# KiCad board PCBA-EN16.kicad_pcb (continued)
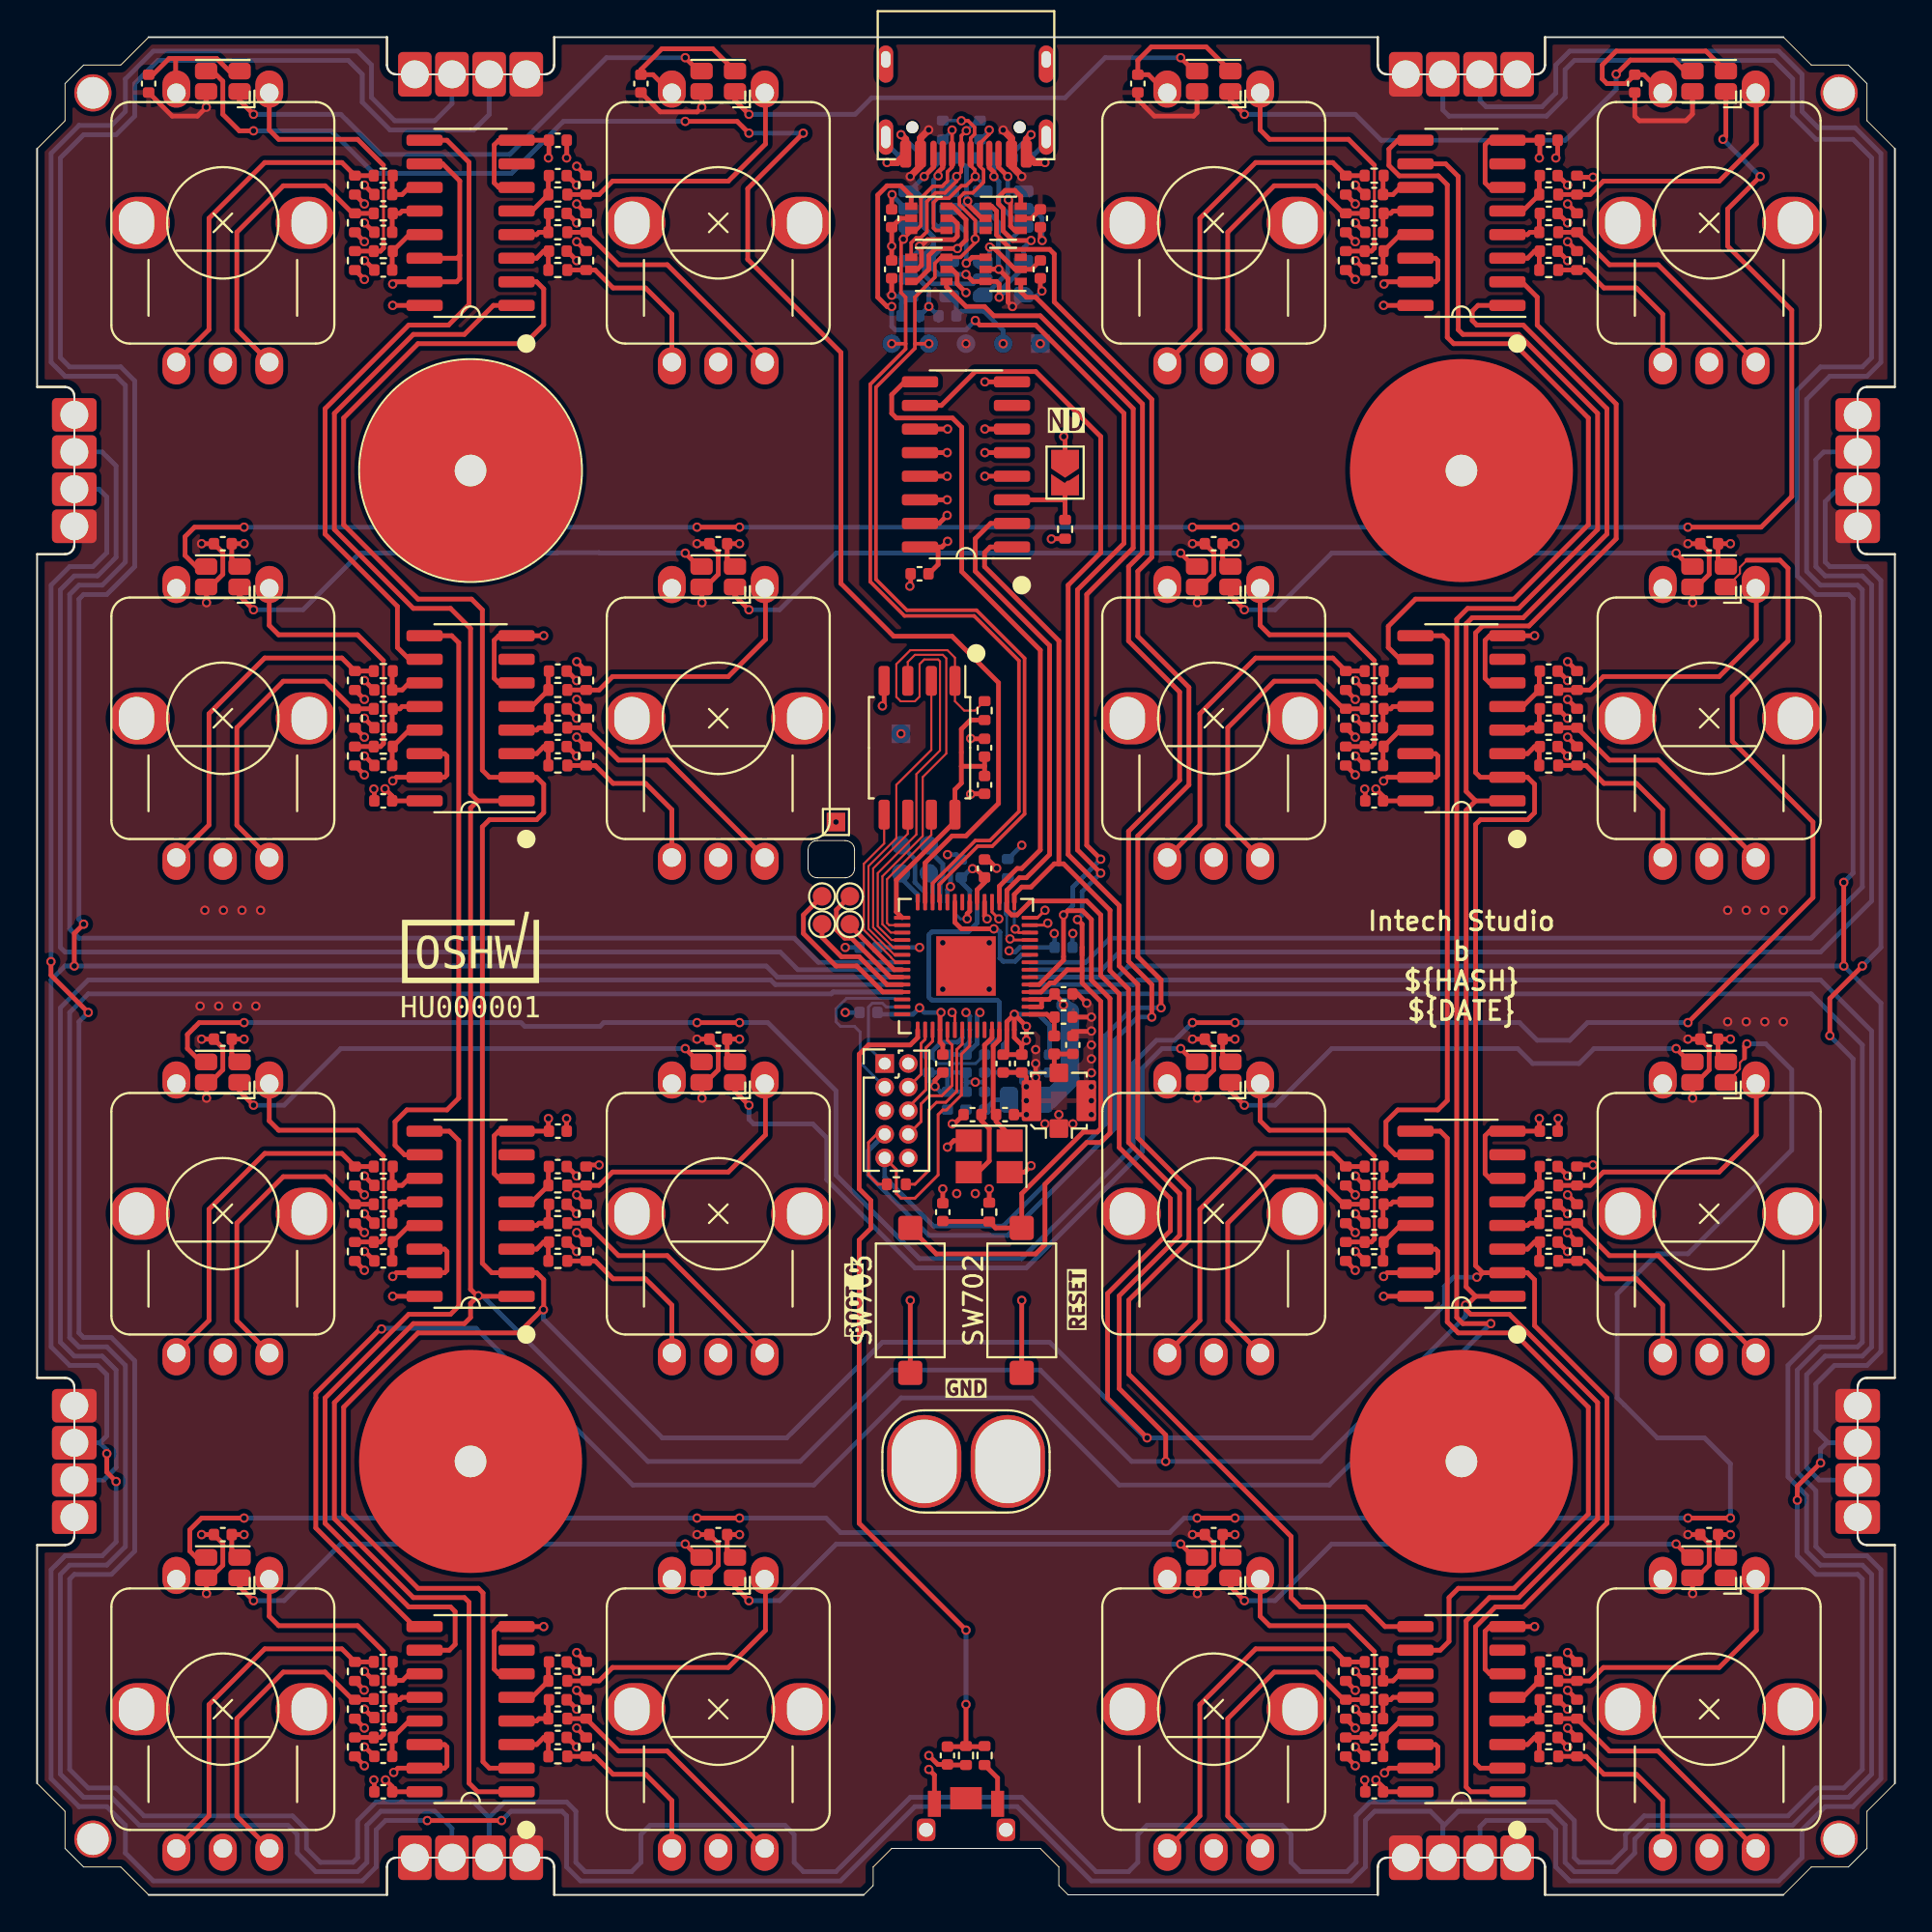
[diagram p0: board, top side]
## Footprints (pads in the part's own frame, mm; a bottom-side part is the same pattern mirrored in y, then rotated)
CAP_0402
  rrect 0.56x0.62 smd: 1(-0.48,0) 2(0.48,0)
Crystal_SMD_Abracon_ABM8G-4Pin_3.2x2.5mm
  rect 1.4x1.2 smd: 1(-1.1,-0.85) 2(1.1,-0.85) 3(1.1,0.85) 4(-1.1,0.85)
FERRIT_0805
  rrect 0.975x1.4 smd: 1(-0.938,0) 2(0.938,0)
grid_outline
  round 2 hole 1.7: 1(-47,47) 2(47,47) 3(47,-47) 4(-47,-47)
  round 2.5 hole 1.7: 5(-26.67,26.67) 6(26.67,26.67) 7(26.67,-26.67) 8(-26.67,-26.67)
  round 12 smd: 5(-26.67,26.67) 6(26.67,26.67) 7(26.67,-26.67) 8(-26.67,-26.67)
IND_0402
  rrect 0.59x0.64 smd: 1(-0.485,0) 2(0.485,0)
J_INTERFACE_SPRINGPATTERN
  rrect 1.8x2.4 hole 1.5: 1(3,-2) 2(1,-2) 3(-1,-2) 4(-3,-2)
OscilloscopeGround
  rrect 4x5 hole 3.5x4.5: 1(-2.25,0) 2(2.25,0)
PinHeader_2x05_P1.27mm_Vertical
  rect 1x1 hole 0.65: 1(0,0)
  oval 1x1 hole 0.65: 2(1.27,0) 3(0,-1.27) 4(1.27,-1.27) 5(0,-2.54) 6(1.27,-2.54) 7(0,-3.81) 8(1.27,-3.81) 9(0,-5.08) 10(1.27,-5.08)
QFN-56-1EP_7x7mm_P0.4mm_EP3.2x3.2mm
  rrect 1.29x1.29 smd: (-0.8,0.8) (-0.8,-0.8) (0.8,0.8) (0.8,-0.8)
  rrect 0.875x0.2 smd: 1(-3.438,2.6) 2(-3.438,2.2) 3(-3.438,1.8) 4(-3.438,1.4) 5(-3.438,1) 6(-3.438,0.6) 7(-3.438,0.2) 8(-3.438,-0.2) 9(-3.438,-0.6) 10(-3.438,-1) 11(-3.438,-1.4) 12(-3.438,-1.8) 13(-3.438,-2.2) 14(-3.438,-2.6) 29(3.438,-2.6) 30(3.438,-2.2) 31(3.438,-1.8) 32(3.438,-1.4) 33(3.438,-1) 34(3.438,-0.6) 35(3.438,-0.2) 36(3.438,0.2) 37(3.438,0.6) 38(3.438,1) 39(3.438,1.4) 40(3.438,1.8) 41(3.438,2.2) 42(3.438,2.6)
  rrect 0.2x0.875 smd: 15(-2.6,-3.438) 16(-2.2,-3.438) 17(-1.8,-3.438) 18(-1.4,-3.438) 19(-1,-3.438) 20(-0.6,-3.438) 21(-0.2,-3.438) 22(0.2,-3.438) 23(0.6,-3.438) 24(1,-3.438) 25(1.4,-3.438) 26(1.8,-3.438) 27(2.2,-3.438) 28(2.6,-3.438) 43(2.6,3.438) 44(2.2,3.438) 45(1.8,3.438) 46(1.4,3.438) 47(1,3.438) 48(0.6,3.438) 49(0.2,3.438) 50(-0.2,3.438) 51(-0.6,3.438) 52(-1,3.438) 53(-1.4,3.438) 54(-1.8,3.438) 55(-2.2,3.438) 56(-2.6,3.438)
  rect 3.2x3.2 smd: 57(0,0)
RES_0402
  rrect 0.54x0.64 smd: 1(-0.51,0) 2(0.51,0)
RP2040_QFN-56-1EP_7x7mm_P0.4mm_EP3.2x3.2mm
  rrect 1.29x1.29 smd: (-0.8,-0.8) (-0.8,0.8) (0.8,-0.8) (0.8,0.8)
  rrect 0.2x0.875 smd: 1(-2.6,-3.438) 2(-2.2,-3.438) 3(-1.8,-3.438) 4(-1.4,-3.438) 5(-1,-3.438) 6(-0.6,-3.438) 7(-0.2,-3.438) 8(0.2,-3.438) 9(0.6,-3.438) 10(1,-3.438) 11(1.4,-3.438) 12(1.8,-3.438) 13(2.2,-3.438) 14(2.6,-3.438) 29(2.6,3.438) 30(2.2,3.438) 31(1.8,3.438) 32(1.4,3.438) 33(1,3.438) 34(0.6,3.438) 35(0.2,3.438) 36(-0.2,3.438) 37(-0.6,3.438) 38(-1,3.438) 39(-1.4,3.438) 40(-1.8,3.438) 41(-2.2,3.438) 42(-2.6,3.438)
  rrect 0.875x0.2 smd: 15(3.438,-2.6) 16(3.438,-2.2) 17(3.438,-1.8) 18(3.438,-1.4) 19(3.438,-1) 20(3.438,-0.6) 21(3.438,-0.2) 22(3.438,0.2) 23(3.438,0.6) 24(3.438,1) 25(3.438,1.4) 26(3.438,1.8) 27(3.438,2.2) 28(3.438,2.6) 43(-3.438,2.6) 44(-3.438,2.2) 45(-3.438,1.8) 46(-3.438,1.4) 47(-3.438,1) 48(-3.438,0.6) 49(-3.438,0.2) 50(-3.438,-0.2) 51(-3.438,-0.6) 52(-3.438,-1) 53(-3.438,-1.4) 54(-3.438,-1.8) 55(-3.438,-2.2) 56(-3.438,-2.6)
  rect 3.2x3.2 smd: 57(0,0)
SOIC-8W_FLASH
  rrect 1.6x0.6 smd: 1(-3.6,1.905) 2(-3.6,0.635) 3(-3.6,-0.635) 4(-3.6,-1.905) 5(3.6,-1.905) 6(3.6,-0.635) 7(3.6,0.635) 8(3.6,1.905)
SOIC-16_74HC165
  rrect 1.95x0.6 smd: 1(-2.475,4.445) 2(-2.475,3.175) 3(-2.475,1.905) 4(-2.475,0.635) 5(-2.475,-0.635) 6(-2.475,-1.905) 7(-2.475,-3.175) 8(-2.475,-4.445) 9(2.475,-4.445) 10(2.475,-3.175) 11(2.475,-1.905) 12(2.475,-0.635) 13(2.475,0.635) 14(2.475,1.905) 15(2.475,3.175) 16(2.475,4.445)
SolderJumper-2_P1.3mm_Open_TrianglePad1.0x1.5mm
  custom 0.3x0.3 smd: 1(-0.725,0) 2(0.725,0)
SOT-23-5
  rrect 1.06x0.65 smd: 1(1.1,-0.95) 2(1.1,0) 3(1.1,0.95) 4(-1.1,0.95) 5(-1.1,-0.95)
SOT-23-5-AND-TSSOP5
  custom 0.3x0.3 smd: 1(1.1,-0.95) 2(1.1,0) 3(1.1,0.95) 4(-1.1,0.95) 5(-1.1,-0.95)
SOT-23-6
  rrect 1.06x0.65 smd: 1(1.1,-0.95) 2(1.1,0) 3(1.1,0.95) 4(-1.1,0.95) 5(-1.1,0) 6(-1.1,-0.95)
SOT-363_SC-70-6
  rect 0.65x0.4 smd: 1(-0.95,0.65) 2(-0.95,0) 3(-0.95,-0.65) 4(0.95,-0.65) 5(0.95,0) 6(0.95,0.65)
SW_HYP_MAPMODE
  rrect 1x1.2 hole 0.75: (-2.15,0.3) (2.15,0.3)
  rect 1.7x1.2 smd: (0,-1.4)
  rect 0.7x1.4 smd: 1(-1.7,-1.1) 2(1.7,-1.1)
SW_SPST_CK_RS282G05A3
  rrect 1.3x1.3 smd: 1(-3.9,0) 2(3.9,0)
TestPoint_Pad_1.0x1.0mm
  rect 1x1 smd: 1(0,0)
TestPoint_Pad_D1.0mm
  round 1 smd: 1(0,0)
U.FL_Molex_MCRF_73412-0110_Vertical
  rrect 1x1 smd: 1(0,-1.5) 2(0,1.5)
  rrect 1.05x2.2 smd: 2(-1.475,0) 2(1.475,0)
UI_ENCODER_SONGHUEI
  oval 1.5x2 hole 1: 1(-2.5,-7.5) 2(0,-7.5) 3(2.5,-7.5) 4(-2.5,7) 5(2.5,7)
  oval 3.2x2.8 hole 1.9x2.3: 6(-4.65,0) 7(4.65,0)
UI_LED_RGB_2020
  rrect 1.2x0.9 smd: 1(-0.9,0.55) 2(-0.9,-0.55) 3(0.9,-0.55) 4(0.9,0.55)
USB_C_Korean_Hroparts_TYPE-C-31-M-12
  round 0.65 hole 0.65 unplated: (-2.89,1.45) (2.89,1.45)
  rrect 0.6x1.45 smd: A1B12(-3.25,2.895) A4B9(-2.45,2.895) A9B4(2.45,2.895) A12B1(3.25,2.895)
  rrect 0.34x1.45 smd: A5(-1.25,2.895) A6(-0.25,2.895) A7(0.25,2.895) A8(1.25,2.895) B5(1.75,2.895) B6(0.75,2.895) B7(-0.75,2.895) B8(-1.75,2.895)
  oval 0.8x1.9 hole 0.5x1.2: S1(-4.32,1.98) S2(4.32,1.98)
  oval 0.8x2 hole 0.5x0.9: S3(-4.32,-2.2) S4(4.32,-2.2)

## Nets
+1V1: C731.1 C732.1 C733.1 U703.23 U703.45 U703.50
+3V3: C603.2 C734.1 C735.1 C736.1 C737.1 C738.1 C740.1 C741.1 C743.1 C744.1 C745.1 C746.1 C747.1 C751.1 C752.1 C753.1 C754.1 C757.2 C801.1 C1019.1 C1020.1 C1021.1 C1022.1 C1023.1 C1024.1 C1025.1 C1026.1 JP801.1 L702.2 R701.1 R729.1 R735.1 R1002.1 R1003.1 R1004.1 R1008.1 R1009.1 R1010.1 R1014.1 R1015.1 R1016.1 R1020.1 R1021.1 R1022.1 R1026.1 R1027.1 R1028.1 R1032.1 R1033.1 R1034.1 R1038.1 R1039.1 R1040.1 R1044.1 R1045.1 R1046.1 R1050.1 R1051.1 R1052.1 R1056.1 R1057.1 R1058.1 R1062.1 R1063.1 R1064.1 R1068.1 R1069.1 R1070.1 R1074.1 R1075.1 R1076.1 R1080.1 R1081.1 R1082.1 R1086.1 R1087.1 R1088.1 R1092.1 R1093.1 R1094.1 TP602.1 U601.5 U703.1 U703.10 U703.22 U703.33 U703.42 U703.43 U703.44 U703.48 U703.49 U704.20 U704.46 U704.55 U704.56 U801.5 U801.6 U801.11 U801.12 U801.16 U1001.16 U1002.16 U1003.16 U1004.16 U1005.16 U1006.16 U1007.16 U1008.16
+5V: C602.1 C604.1 C605.1 C606.1 C607.1 C901.2 C902.2 C903.2 C904.2 C905.2 C906.2 C907.2 C908.2 C909.2 C910.2 C911.2 C912.2 C913.2 C914.2 C915.2 C916.2 D901.4 D902.4 D903.4 D904.4 D905.4 D906.4 D907.4 D908.4 D909.4 D910.4 D911.4 D912.4 D913.4 D914.4 D915.4 D916.4 J501.1 J502.4 J503.1 J504.4 J505.4 J506.1 J507.4 J508.1 J601.A4B9 J601.A9B4 TP603.1 U601.1 U601.3 U602.5 U603.5 U604.5 U605.5 U606.5 U607.5 U608.5
GND: C601.2 C602.2 C603.1 C604.2 C605.2 C606.2 C607.2 C731.2 C732.2 C733.2 C734.2 C735.2 C736.2 C737.2 C738.2 C739.2 C740.2 C741.2 C742.2 C743.2 C744.2 C745.2 C746.2 C747.2 C748.2 C749.2 C750.2 C751.2 C752.2 C753.2 C754.2 C755.2 C756.2 C758.2 C801.2 C901.1 C902.1 C903.1 C904.1 C905.1 C906.1 C907.1 C908.1 C909.1 C910.1 C911.1 C912.1 C913.1 C914.1 C915.1 C916.1 C1001.2 C1002.2 C1003.2 C1004.2 C1005.2 C1006.2 C1007.2 C1008.2 C1009.2 C1010.2 C1011.2 C1012.2 C1013.2 C1014.2 C1015.2 C1016.2 C1017.2 C1018.2 C1019.2 C1020.2 C1021.2 C1022.2 C1023.2 C1024.2 C1025.2 C1026.2 C1027.2 C1028.2 C1029.2 C1030.2 C1031.2 C1032.2 C1033.2 C1034.2 C1035.2 C1036.2 C1037.2 C1038.2 C1039.2 C1040.2 C1041.2 C1042.2 C1043.2 C1044.2 C1045.2 C1046.2 C1047.2 C1048.2 C1049.2 C1050.2 C1051.2 C1052.2 C1053.2 C1054.2 C1055.2 C1056.2 D901.2 D902.2 D903.2 D904.2 D905.2 D906.2 D907.2 D908.2 D909.2 D910.2 D911.2 D912.2 D913.2 D914.2 D915.2 D916.2 J501.4 J502.1 J503.4 J504.1 J505.1 J506.4 J507.1 J508.4 J601.A1B12 J601.A12B1 J701.2 J702.5 J799.1 J799.2 R601.2 R602.2 R603.2 R801.2 SW701.2 SW702.1 SW703.1 TP601.1 TP705.1 TP710.1 U601.2 U602.2 U603.2 U604.3 U605.2 U606.2 U607.2 U608.2 U703.19 U703.57 U704.57 U705.4 U801.4 U801.8 U801.13 U801.14 U801.15 U1001.6 U1001.8 U1001.10 U1001.14 U1001.15 U1002.6 U1002.8 U1002.14 U1002.15 U1003.6 U1003.8 U1003.14 U1003.15 U1004.6 U1004.8 U1004.14 U1004.15 U1005.6 U1005.8 U1005.14 U1005.15 U1006.6 U1006.8 U1006.14 U1006.15 U1007.6 U1007.8 U1007.14 U1007.15 U1008.6 U1008.8 U1008.14 U1008.15 UI1001.2 UI1001.4 UI1002.2 UI1002.4 UI1003.2 UI1003.4 UI1004.2 UI1004.4 UI1005.2 UI1005.4 UI1006.2 UI1006.4 UI1007.2 UI1007.4 UI1008.2 UI1008.4 UI1009.2 UI1009.4 UI1010.2 UI1010.4 UI1011.2 UI1011.4 UI1012.2 UI1012.4 UI1013.2 UI1013.4 UI1014.2 UI1014.4 UI1015.2 UI1015.4 UI1016.2 UI1016.4 Y701.2 Y701.4
VDD_SPI: C755.1 C756.1 R734.1 U704.29 U705.8
/HWCFG/HWCFG_DATA: U704.17 U801.9
/MCU/ESP_BOOT0: SW703.2 U607.1 U704.5
/MCU/ESP_LNA: C742.1 L701.2 U704.1
/MCU/ESP_RESET: C758.1 R735.2 SW702.2 U608.1 U704.4
/MCU/GRID_EAST_RX: J503.3 U703.36
/MCU/GRID_EAST_TX: J505.2 U703.38
/MCU/GRID_NORTH_RX: J501.3 U703.8
/MCU/GRID_NORTH_TX: J502.2 U703.35
/MCU/GRID_SOUTH_RX: J508.3 U703.39
/MCU/GRID_SOUTH_TX: J507.2 U703.4
/MCU/GRID_SYNC_1: J502.3 J504.3 J505.3 J507.3 U703.37
/MCU/GRID_SYNC_2: J501.2 J503.2 J506.2 J508.2 U703.6
/MCU/GRID_WEST_RX: J506.3 U703.5
/MCU/GRID_WEST_TX: J504.2 U703.7
/MCU/LED_DATA_OUT: D901.3 U704.27
/MCU/MAP_MODE: C757.1 R701.2 R736.2 U704.43
/MCU/RP_CLK: U703.20 U704.21
/MCU/RP_INTERRUPT: U703.34 U704.23
/MCU/RP_RUN: R729.2 U703.26
/MCU/RP_SPI0_CS: U703.28 U704.12
/MCU/RP_SPI0_RX: U703.27 U704.11
/MCU/RP_SPI0_SCK: U703.29 U704.14
/MCU/RP_SPI0_TX: U703.30 U704.13
/MCU/RP_SWCLK: U703.24 U704.19
/MCU/RP_SWDIO: U703.25 U704.18
/MCU/RP_UART0_RX: J702.3 U703.3
/MCU/RP_UART0_TX: J702.1 U703.2
/MCU/SPICLK: U704.33 U705.6
/MCU/SPICS0: R734.2 U704.32 U705.1
/MCU/SPID: U704.35 U705.5
/MCU/SPIHD: U704.30 U705.7
/MCU/SPIQ: U704.34 U705.2
/MCU/SPIWP: U704.31 U705.3
/MCU/TCK: J702.4 U704.44
/MCU/TDI: J702.8 U704.47
/MCU/TDO: J702.6 U704.45
/MCU/TMS: J702.2 U704.48
/MCU/U0RXD: J702.9 U606.1 U704.50
/MCU/U0TXD: J702.7 R501.1 U605.1
/MCU/USB_DN: J601.B7 R604.1 TP604.1 U602.4 U607.3 U704.25
/MCU/USB_DP: J601.B6 R605.1 TP605.1 U603.4 U608.3 U704.26
/MCU/USB_POWER/A6: J601.A6 R605.2 U602.6 U608.4
/MCU/USB_POWER/A7: J601.A7 R604.2 U603.1 U607.4
/MCU/USB_POWER/CC1: J601.A5 R602.1 U602.3 U604.1
/MCU/USB_POWER/CC2: J601.B5 R603.1 U603.6 U604.2
/MCU/USB_POWER/DEBUG: U604.4 U605.6 U606.6 U607.6 U608.6
/MCU/USB_POWER/SBU1: J601.A8 U603.3 U605.4
/MCU/USB_POWER/SBU2: J601.B8 U602.1 U606.4
/UI_ENC/CLOCK: U704.16 U801.2 U1001.2 U1002.2 U1003.2 U1004.2 U1005.2 U1006.2 U1007.2 U1008.2
/UI_ENC/DATA: U801.10 U1008.9
/UI_ENC/ENCODER_0/A: C1015.1 R1030.1 U1001.11
/UI_ENC/ENCODER_0/B: C1014.1 R1029.1 U1001.12
/UI_ENC/ENCODER_0/C: C1013.1 R1025.2 U1001.13
/UI_ENC/ENCODER_1/A: C1032.1 R1048.1 U1001.3
/UI_ENC/ENCODER_1/B: C1031.1 R1047.1 U1001.4
/UI_ENC/ENCODER_1/C: C1030.1 R1043.2 U1001.5
/UI_ENC/ENCODER_2/A: C1050.1 R1084.1 U1005.11
/UI_ENC/ENCODER_2/B: C1049.1 R1083.1 U1005.12
/UI_ENC/ENCODER_2/C: C1048.1 R1079.2 U1005.13
/UI_ENC/ENCODER_3/A: C1029.1 R1042.1 U1005.3
/UI_ENC/ENCODER_3/B: C1028.1 R1041.1 U1005.4
/UI_ENC/ENCODER_3/C: C1027.1 R1037.2 U1005.5
/UI_ENC/ENCODER_4/A: C1053.1 R1090.1 U1002.11
/UI_ENC/ENCODER_4/B: C1052.1 R1089.1 U1002.12
/UI_ENC/ENCODER_4/C: C1051.1 R1085.2 U1002.13
/UI_ENC/ENCODER_5/A: C1009.1 R1018.1 U1002.3
/UI_ENC/ENCODER_5/B: C1008.1 R1017.1 U1002.4
/UI_ENC/ENCODER_5/C: C1007.1 R1013.2 U1002.5
/UI_ENC/ENCODER_6/A: C1018.1 R1036.1 U1006.11
/UI_ENC/ENCODER_6/B: C1017.1 R1035.1 U1006.12
/UI_ENC/ENCODER_6/C: C1016.1 R1031.2 U1006.13
/UI_ENC/ENCODER_7/A: C1035.1 R1054.1 U1006.3
/UI_ENC/ENCODER_7/B: C1034.1 R1053.1 U1006.4
/UI_ENC/ENCODER_7/C: C1033.1 R1049.2 U1006.5
/UI_ENC/ENCODER_8/A: C1003.1 R1006.1 U1003.11
/UI_ENC/ENCODER_8/B: C1002.1 R1005.1 U1003.12
/UI_ENC/ENCODER_8/C: C1001.1 R1001.2 U1003.13
/UI_ENC/ENCODER_9/A: C1056.1 R1096.1 U1003.3
/UI_ENC/ENCODER_9/B: C1055.1 R1095.1 U1003.4
/UI_ENC/ENCODER_9/C: C1054.1 R1091.2 U1003.5
/UI_ENC/ENCODER_10/A: C1044.1 R1072.1 U1007.11
/UI_ENC/ENCODER_10/B: C1043.1 R1071.1 U1007.12
/UI_ENC/ENCODER_10/C: C1042.1 R1067.2 U1007.13
/UI_ENC/ENCODER_11/A: C1006.1 R1012.1 U1007.3
/UI_ENC/ENCODER_11/B: C1005.1 R1011.1 U1007.4
/UI_ENC/ENCODER_11/C: C1004.1 R1007.2 U1007.5
/UI_ENC/ENCODER_12/A: C1012.1 R1024.1 U1004.11
/UI_ENC/ENCODER_12/B: C1011.1 R1023.1 U1004.12
/UI_ENC/ENCODER_12/C: C1010.1 R1019.2 U1004.13
/UI_ENC/ENCODER_13/A: C1041.1 R1066.1 U1004.3
/UI_ENC/ENCODER_13/B: C1040.1 R1065.1 U1004.4
/UI_ENC/ENCODER_13/C: C1039.1 R1061.2 U1004.5
/UI_ENC/ENCODER_14/A: C1038.1 R1060.1 U1008.11
/UI_ENC/ENCODER_14/B: C1037.1 R1059.1 U1008.12
/UI_ENC/ENCODER_14/C: C1036.1 R1055.2 U1008.13
/UI_ENC/ENCODER_15/A: C1047.1 R1078.1 U1008.3
/UI_ENC/ENCODER_15/B: C1046.1 R1077.1 U1008.4
/UI_ENC/ENCODER_15/C: C1045.1 R1073.2 U1008.5
/UI_ENC/SHIFT: U704.15 U801.1 U1001.1 U1002.1 U1003.1 U1004.1 U1005.1 U1006.1 U1007.1 U1008.1
/UI_LED/LED_DATA_OUT: D916.1
ESP_GPIO_1: U704.6
ESP_GPIO_2: U704.7
ESP_GPIO_3: U704.8
ESP_GPIO_4: U704.9
ESP_GPIO_5: U704.10
ESP_GPIO_16: U704.22
ESP_GPIO_18: U704.24
ESP_GPIO_33: TP709.1 U704.38
ESP_GPIO_34: TP708.1 U704.39
ESP_GPIO_35: U704.40
ESP_GPIO_36: U704.41
ESP_GPIO_37: U704.42
ESP_GPIO_45: U704.51
ESP_GPIO_46: U704.52
ESP_GPIO_47: TP706.1 U704.37
ESP_GPIO_48: TP707.1 U704.36
Net-(C601-Pad1): C601.1 J601.S1
Net-(C749-Pad1): C749.1 L702.1 U704.2 U704.3
Net-(D901-DOUT): D901.1 D905.3
Net-(D902-DIN): D902.3 D913.1
Net-(D902-DOUT): D902.1 D906.3
Net-(D903-DIN): D903.3 D914.1
Net-(D903-DOUT): D903.1 D907.3
Net-(D904-DIN): D904.3 D915.1
Net-(D904-DOUT): D904.1 D908.3
Net-(D905-DOUT): D905.1 D909.3
Net-(D906-DOUT): D906.1 D910.3
Net-(D907-DOUT): D907.1 D911.3
Net-(D908-DOUT): D908.1 D912.3
Net-(D909-DOUT): D909.1 D913.3
Net-(D910-DOUT): D910.1 D914.3
Net-(D911-DOUT): D911.1 D915.3
Net-(D912-DOUT): D912.1 D916.3
Net-(J601-SHIELD-PadS2): J601.S2 R601.1
Net-(J701-In): C739.1 J701.1 L701.1
Net-(JP801-B): JP801.2 R801.1 U801.3
Net-(R1001-Pad1): R1001.1 R1002.2 UI1001.5
Net-(R1003-Pad2): R1003.2 R1005.2 UI1001.3
Net-(R1004-Pad2): R1004.2 R1006.2 UI1001.1
Net-(R1007-Pad1): R1007.1 R1008.2 UI1002.5
Net-(R1009-Pad2): R1009.2 R1011.2 UI1002.3
Net-(R1010-Pad2): R1010.2 R1012.2 UI1002.1
Net-(R1013-Pad1): R1013.1 R1014.2 UI1003.5
Net-(R1015-Pad2): R1015.2 R1017.2 UI1003.3
Net-(R1016-Pad2): R1016.2 R1018.2 UI1003.1
Net-(R1019-Pad1): R1019.1 R1020.2 UI1004.5
Net-(R1021-Pad2): R1021.2 R1023.2 UI1004.3
Net-(R1022-Pad2): R1022.2 R1024.2 UI1004.1
Net-(R1025-Pad1): R1025.1 R1026.2 UI1005.5
Net-(R1027-Pad2): R1027.2 R1029.2 UI1005.3
Net-(R1028-Pad2): R1028.2 R1030.2 UI1005.1
Net-(R1031-Pad1): R1031.1 R1032.2 UI1006.5
Net-(R1033-Pad2): R1033.2 R1035.2 UI1006.3
Net-(R1034-Pad2): R1034.2 R1036.2 UI1006.1
Net-(R1037-Pad1): R1037.1 R1038.2 UI1007.5
Net-(R1039-Pad2): R1039.2 R1041.2 UI1007.3
Net-(R1040-Pad2): R1040.2 R1042.2 UI1007.1
Net-(R1043-Pad1): R1043.1 R1044.2 UI1008.5
Net-(R1045-Pad2): R1045.2 R1047.2 UI1008.3
Net-(R1046-Pad2): R1046.2 R1048.2 UI1008.1
Net-(R1049-Pad1): R1049.1 R1050.2 UI1009.5
Net-(R1051-Pad2): R1051.2 R1053.2 UI1009.3
Net-(R1052-Pad2): R1052.2 R1054.2 UI1009.1
Net-(R1055-Pad1): R1055.1 R1056.2 UI1010.5
Net-(R1057-Pad2): R1057.2 R1059.2 UI1010.3
Net-(R1058-Pad2): R1058.2 R1060.2 UI1010.1
Net-(R1061-Pad1): R1061.1 R1062.2 UI1011.5
Net-(R1063-Pad2): R1063.2 R1065.2 UI1011.3
Net-(R1064-Pad2): R1064.2 R1066.2 UI1011.1
Net-(R1067-Pad1): R1067.1 R1068.2 UI1012.5
Net-(R1069-Pad2): R1069.2 R1071.2 UI1012.3
Net-(R1070-Pad2): R1070.2 R1072.2 UI1012.1
Net-(R1073-Pad1): R1073.1 R1074.2 UI1013.5
Net-(R1075-Pad2): R1075.2 R1077.2 UI1013.3
Net-(R1076-Pad2): R1076.2 R1078.2 UI1013.1
Net-(R1079-Pad1): R1079.1 R1080.2 UI1014.5
Net-(R1081-Pad2): R1081.2 R1083.2 UI1014.3
Net-(R1082-Pad2): R1082.2 R1084.2 UI1014.1
Net-(R1085-Pad1): R1085.1 R1086.2 UI1015.5
Net-(R1087-Pad2): R1087.2 R1089.2 UI1015.3
Net-(R1088-Pad2): R1088.2 R1090.2 UI1015.1
Net-(R1091-Pad1): R1091.1 R1092.2 UI1016.5
Net-(R1093-Pad2): R1093.2 R1095.2 UI1016.3
Net-(R1094-Pad2): R1094.2 R1096.2 UI1016.1
Net-(SW701-A): R736.1 SW701.1
Net-(U703-GPIO12): TP701.1 U703.15
Net-(U703-GPIO13): TP702.1 U703.16
Net-(U703-GPIO14): TP703.1 U703.17
Net-(U703-GPIO15): TP704.1 U703.18
Net-(U704-GPIO43): R501.2 U704.49
Net-(U704-XTAL_N): C750.1 U704.53 Y701.3
Net-(U704-XTAL_P): C748.1 U704.54 Y701.1
Net-(U1001-Q): U1001.9 U1002.10
Net-(U1002-Q): U1002.9 U1003.10
Net-(U1003-Q): U1003.9 U1004.10
Net-(U1004-Q): U1004.9 U1005.10
Net-(U1005-Q): U1005.9 U1006.10
Net-(U1006-Q): U1006.9 U1007.10
Net-(U1007-Q): U1007.9 U1008.10

Pads without a net: J601 S3 S4; J702 10; M501 1 2 3 4 5 6 7 8; U601 4; U605 3; U606 3; U703 9 11 12 13 14 21 31 32 40 41 46 47 51 52 53 54 55 56; U704 28; U801 7; U1001 7; U1002 7; U1003 7; U1004 7; U1005 7; U1006 7; U1007 7; U1008 7; UI1001 6 7; UI1002 6 7; UI1003 6 7; UI1004 6 7; UI1005 6 7; UI1006 6 7; UI1007 6 7; UI1008 6 7; UI1009 6 7; UI1010 6 7; UI1011 6 7; UI1012 6 7; UI1013 6 7; UI1014 6 7; UI1015 6 7; UI1016 6 7

## Via types
v1: diameter 0.5, hole 0.3, Top to Bottom, 388 vias

## Routing (per net, layer and track width the routed paths; a pad name or vN(x,y) marks a point on that pad's centre or on a via; arc(x,y) is an arc through that point)
+1V1: length 22.1
  Bottom w0.152: C732.1 48.48,44.75 50.52,44.75 C733.1
  Bottom w0.254: C733.1 51,45.75 51.15,45.9 51.56,45.9 51.8,46.13 U703.45 51.8,48.05 51.69,48.16 48.16,48.16 48,48.33 48,51.67 48.16,51.84 50.12,51.84 50.6,52.31 50.6,52.76 50.6,52.76 U703.23 50.6,54.1 51,54.5 C731.1 ; C732.1 48.67,45.9 49.56,45.9 49.8,46.13 U703.50
+3V3: length 116.9
  Top w0.254: R1026.1 v1(17.61,86.96) ; C1025.1 81.88,41.14 v1(81.88,41.79) ; R1070.1 v1(70.95,37.68) ; R1021.1 v1(17.61,8.98) ; R735.1 v1(51.25,38) ; U1002.16 C1020.1 19.11,59.15 v1(18.72,59.54) ; R1074.1 v1(82.38,13.04) ; v1(83.75,92.46) 82.98,92.46 R1038.1 ; R1093.1 v1(29.05,37.68) ; v1(72.48,85.56) U1005.16 ; R1032.1 v1(70.95,60.29) ; v1(72.48,32.22) U1007.16 ; 70.45,34.12 v1(70.95,33.62) ; R1020.1 v1(17.61,6.95) ; R1003.1 v1(17.61,35.65) ; v1(19.14,32.22) 20.86,32.22 ; R1088.1 v1(17.61,64.35) ; R1034.1 v1(70.95,64.35) ; R1010.1 v1(82.38,35.65) ; U704.20 50.6,54.1 51,54.5 C751.1 50.53,55.24 50.26,55.24 ; v1(55.26,78.5) 55.33,78.43 JP801.1 55.35,77.27 ; R1082.1 v1(70.95,91.02) ; R1080.1 v1(70.95,86.96) ; R1028.1 v1(17.61,91.02) ; R1057.1 v1(70.95,8.98) ; R1092.1 29.64,39.29 v1(30.25,39.29) ; R1056.1 v1(70.95,6.95) ; v1(52.6,47.4) U704.56 52.6,46.15 53,45.75 ; v1(52.6,47.4) v1(53.25,46.75) v1(53.25,46) 53,45.75 ; v1(52.6,47.4) 52.2,47 U704.55 52.2,45.43 C753.1 C754.1 53,45.75 ; R1040.1 v1(82.38,88.99) ; R1015.1 v1(29.05,64.35) ; R1044.1 v1(29.05,93.05) ; R1076.1 v1(82.38,8.98) ; C752.1 48.75,45.75 48.6,45.9 U704.46 48.6,47.45 v1(48.65,47.5) ; R1062.1 v1(29.05,13.04) ; v1(17.6,11.02) R1022.1 ; R1081.1 v1(70.95,88.99) ; R1009.1 v1(82.38,37.68) ; R1063.1 v1(29.05,11.01) ; v1(49.01,72.86) 48.7,72.56 U801.16 ; v1(19.14,85.56) U1001.16 ; R1004.1 v1(17.61,37.68) ; v1(28.5,41.79) 28.5,41.12 C1021.1 ; R1046.1 v1(29.05,88.99) ; v1(72.06,59.53) 72.45,59.14 C1024.1 U1006.16 ; U801.12 v1(48.98,77.64) ; 17.11,34.12 v1(17.61,33.62) ; v1(28.5,93.5) 28.51,93.51 C1019.1 ; R1027.1 v1(17.61,88.99) ; R1069.1 v1(70.95,35.65) ; C1023.1 81.85,93.6 v1(81.75,93.5) ; R1045.1 v1(29.05,91.02) ; R1008.1 82.97,39.29 v1(83.75,39.29) ; R1064.1 v1(29.05,8.98) ; R1033.1 v1(70.95,62.32) ; U801.5 v1(51.02,77.64) ; R1016.1 v1(29.05,62.32) ; v1(48,7.5) 48.48,7.02 C757.2 49.03,6.99 R701.1 ; v1(72.06,6.19) 72.45,5.8 C1026.1 U1008.16 ; U1004.16 C1022.1 19.11,5.82 v1(18.75,6.19) ; 48.5,72.36 48.5,71.61 48,71.11 C801.1 ; 82.89,65.88 v1(82.38,66.38) ; R1052.1 v1(82.38,62.32) ; R1094.1 v1(29.05,35.65) ; R1051.1 v1(82.38,64.35) ; v1(49.01,78.91) U801.11 ; R1039.1 v1(82.38,91.02) ; R1086.1 v1(17.61,60.29) ; 29.55,65.88 v1(29.05,66.38) ; R1058.1 v1(70.95,11.01) ; v1(51.02,78.91) U801.6 ; R1087.1 v1(17.61,62.32) ; R1075.1 v1(82.38,11.01)
  Bottom w0.25: U703.1 45.33,47.4 C735.1
  Bottom w0.254: C745.1 50,45.72 50.2,45.92 U703.49 50.2,47.3 v1(50,47.5) ; C745.1 C744.1 ; C745.1 50.6,45.83 U703.48 50.6,47.35 v1(50.75,47.5) ; 53.9,47.4 U703.42 v1(52.6,47.4) ; 53.9,47.4 v1(52.6,47.4) ; 53.9,47.4 54.5,46.8 C740.1 ; R729.1 52.26,55.76 v1(53,56.5) ; v1(53.25,46.75) v1(53.25,46) 53,45.75 C754.1 C753.1 52,45.75 52.2,45.95 U704.55 52.2,47 v1(52.6,47.4) ; v1(52.6,47.4) U704.56 ; v1(52,83.5) 52,84.21 50.96,85.25 49.73,85.25 C603.2 49.48,85.67 U601.5 ; v1(47.5,51) U703.10 C736.1 ; 50.26,55.24 49.79,54.77 C737.1 49.75,54.51 50.2,54.06 U703.22 ; U703.1 47.15,47.4 v1(47.5,47.75) 47.75,47.5 v1(48.65,47.5) ; v1(54.75,51.75) 54.77,51.73 C738.1 U703.33 52.9,51 52.65,50.75 52.39,50.75 v1(52.32,50.82) ; L702.2 51.55,42.8 51.02,42.27 C747.1
  vias: v1(49.5,37.75) v1(50.35,55.24) v1(50.5,37.75)
+5V: length 104.7
  Top w0.254: D903.4 9.32,43.73 9.99,44.41 9.99,45.58 C903.2 v1(8.85,46.06) ; D904.4 9.32,17.06 9.99,17.74 9.99,18.91 C904.2 v1(8.85,19.39) ; C901.2 7.27,95.75 8.63,95.75 9.09,96.22 D901.4 ; v1(89.12,69.56) 89.12,70.41 ; 62.44,17.06 62.66,17.06 63.33,17.74 63.33,18.91 62.86,19.39 v1(62.19,19.39) ; v1(9.12,69.56) 9.12,70.41 ; v1(35.52,46.06) C907.2 36.67,45.58 36.67,44.41 35.99,43.73 D907.4 ; 62.44,97.08 62.44,95.94 62.25,95.75 60.14,95.75 59.25,96.63 C909.2 ; 62.44,43.73 62.66,43.73 63.33,44.41 63.33,45.58 62.86,46.06 v1(62.19,46.06) ; v1(54.09,86.34) 54,86.42 C607.1 ; v1(88.86,19.39) C916.2 90,18.91 90,17.74 89.33,17.06 D916.4 ; D902.4 9.32,70.41 9.99,71.08 9.99,72.25 C902.2 v1(8.85,72.73) ; v1(9.11,96.23) 9.11,97.08 ; v1(46.02,91.52) 46,91.5 C605.1 ; v1(35.79,42.89) 35.79,43.73 ; v1(88.86,46.06) C915.2 90,45.58 90,44.41 89.33,43.73 D915.4 ; U608.5 49.25,90.25 49.53,89.97 49.53,89.28 49.35,89.1 47.92,89.1 47.57,88.75 v1(47.5,88.75) 47.6,88.65 47.6,87.72 47.38,87.5 U607.5 ; 52.98,90.22 U606.5 53.52,90.25 C604.1 ; v1(89.12,42.89) 89.12,43.73 ; 35.78,97.08 v1(35.78,96.23) 35.53,95.98 33.54,95.98 C905.2 ; D914.4 89.33,70.41 90,71.08 90,72.25 C914.2 v1(88.86,72.73) ; D913.4 89.1,95.85 88.75,95.5 86.25,95.5 86,95.75 C913.2 ; v1(35.52,72.73) C906.2 36.67,72.25 36.67,71.08 35.99,70.41 D906.4 ; v1(46,86.11) C606.1 ; U605.5 51.06,87.51 v1(51.76,87.51) 52.26,87.01 52.26,85.74 v1(52.5,85.5) ; v1(62.46,42.89) 62.46,43.73 ; v1(35.52,19.39) C908.2 36.67,18.91 36.67,17.74 35.99,17.06 D908.4 ; 62.44,70.41 62.66,70.41 63.33,71.08 63.33,72.25 62.86,72.73 v1(62.19,72.73) ; v1(62.46,69.56) 62.46,70.41 ; v1(35.79,69.56) 35.79,70.41 ; v1(9.12,16.22) 9.12,17.06 ; v1(89.12,16.22) 89.12,17.06 ; v1(62.46,16.22) 62.46,17.06 ; v1(35.79,16.22) 35.79,17.06 ; v1(9.12,42.89) 9.12,43.73
  Top w0.381: 52.45,93.91 52.45,93.06 53,92.51 v1(53,92.5) ; v1(52,95) 52.45,94.55 J601.A4B9 ; v1(47.99,95.01) 47.55,94.57 J601.A9B4 47.55,93.06 47,92.51 v1(47,92.5)
  Bottom w0.254: v1(54.09,86.34) 53.8,86.05 U604.5 52.55,85.5 v1(52.5,85.5) ; U603.5 46.76,90.75 46.14,91.37 46.14,91.4 v1(46.02,91.52) ; v1(46,86.11) 46.06,86.05 U601.1 46.52,85.67 C602.1 ; U601.3 47.5,88.55 v1(47.5,88.75) ; v1(51.76,87.51) 51.76,87.74 51.75,87.75 51.75,90.04 51.04,90.75 U602.5 51.25,90.75 ; J501.1 26.33,97.45
  vias: v1(8.77,47.84) v1(9.03,53) v1(9.77,47.84) v1(10.03,53) v1(10.77,47.84) v1(11.03,53) v1(11.77,47.84) v1(12.03,53) v1(50,83.5) v1(91,53) v1(91,47) v1(92,53) v1(92,47) v1(93,53) v1(93,47) v1(94,53) v1(94,47)
GND: length 296.1
  Top w0.254: D914.2 90.49,71.92 C914.1 v1(91.15,72.73) ; v1(18.12,59.53) 18.15,59.5 C1020.2 ; 37.56,44.83 37.14,45.25 37.14,46.06 v1(37.81,46.06) ; v1(82.38,38.7) 81.88,39.2 C1004.2 ; SW703.1 v1(47,32) ; U1005.14 75.27,88.1 75.4,87.97 75.4,86.96 75.27,86.83 U1005.15 72.62,86.83 v1(72.5,86.71) ; C1007.2 28.54,65.88 v1(29.05,65.37) ; 10.9,71.5 10.48,71.92 10.48,72.73 v1(11.14,72.73) ; U1006.14 75.27,61.43 75.4,61.3 75.4,60.29 75.27,60.16 U1006.15 72.68,60.16 v1(72.48,59.96) ; C758.2 v1(48.75,38) ; v1(71.46,59.53) 71.49,59.5 C1024.2 ; C1009.2 28.54,61.81 v1(29.05,61.3) ; v1(82.38,63.33) 81.88,63.84 C1034.2 ; C1005.2 81.88,37.17 v1(82.38,36.67) ; v1(17.61,7.96) 17.64,7.96 C1010.2 ; v1(70.95,38.7) 71.46,38.19 C1044.2 ; v1(17.61,90) 18.12,89.5 C1014.2 ; Y701.4 53.15,38.9 v1(53.5,39.25) ; C801.2 47.02,70.49 v1(46.98,70.45) ; U1002.6 24.85,65.24 24.6,65.49 24.6,67.53 24.85,67.78 U1002.8 v1(27.27,67.78) ; U801.15 48.55,73.83 v1(48.98,74.26) ; C1042.2 70.98,34.63 v1(70.95,34.63) ; C1046.2 81.88,10.5 v1(82.38,10) ; C1002.2 18.12,36.16 v1(17.61,36.67) ; v1(54.1,89.05) 54,89.15 C604.2 ; v1(82.38,7.96) 81.88,8.47 C1047.2 ; v1(27.52,93.5) 27.55,93.53 C1019.2 U1001.8 24.85,94.45 24.6,94.2 24.6,92.16 24.85,91.91 U1001.6 ; U1006.6 78.19,65.24 77.94,65.49 77.94,67.53 78.19,67.78 U1006.8 v1(80.61,67.78) ; C1033.2 81.88,65.88 v1(82.38,65.37) ; v1(11.14,19.39) 10.48,19.39 10.48,18.59 10.9,18.16 ; v1(50.09,91.17) 50.09,91.01 50.85,90.25 U606.2 ; C1016.2 70.98,61.3 v1(70.95,61.3) ; C748.2 v1(53.25,42) ; v1(51.65,55.26) 51.18,55.73 C751.2 ; v1(70.95,92.04) 71.46,91.53 C1050.2 ; v1(80.61,14.44) U1008.8 78.19,14.44 77.94,14.19 77.94,12.15 78.19,11.9 U1008.6 ; C1031.2 28.54,90.51 v1(29.05,90) ; R801.2 54.61,73 v1(54.6,72.99) ; v1(17.61,87.97) 17.64,87.97 C1013.2 ; C1052.2 18.12,62.83 v1(17.61,63.33) ; C1037.2 71.46,9.49 v1(70.95,10) ; C1028.2 81.88,90.51 v1(82.38,90) ; v1(29.05,7.96) 28.54,8.47 C1041.2 ; U1001.14 22.6,88.1 22.75,88.25 ; v1(56.5,48) 56,48.5 C749.2 ; U1007.6 78.19,38.57 77.94,38.82 77.94,40.86 78.19,41.11 U1007.8 C1025.2 80.86,41.14 v1(80.86,41.79) ; U1001.10 21.83,93.18 22.75,92.26 22.75,88.25 ; v1(19.14,33.29) 19.34,33.49 21.93,33.49 22.06,33.62 22.06,34.63 21.93,34.76 20.86,34.76 ; v1(72.53,6.56) 72.78,6.82 U1008.15 75.27,6.82 75.4,6.95 75.4,7.96 75.27,8.09 U1008.14 ; C1055.2 28.54,37.17 v1(29.05,36.67) ; C1026.2 71.49,6.16 v1(71.46,6.19) ; 87.47,97 86.49,97.98 C913.1 85.52,97.5 84.5,97.5 84.25,97.75 84.25,98.5 85,99.25 89.83,99.25 D913.2 ; C1027.2 81.88,92.55 v1(82.38,92.04) ; C750.2 49.37,41.5 v1(49.26,41.5) ; U704.57 v1(51.25,48.75) ; U704.57 v1(48.75,51.25) ; U704.57 v1(51.25,51.25) ; v1(29.05,92.04) 28.54,92.55 C1030.2 ; 22.75,88.25 22.75,87 22.58,86.83 U1001.15 19.26,86.83 v1(19.14,86.71) ; v1(27.27,14.44) U1004.8 24.85,14.44 24.6,14.19 24.6,12.15 24.85,11.9 U1004.6 ; 7.6,98.85 7.1,98.85 6.23,97.98 C901.1 ; 7.6,98.85 7.45,98.85 7.45,97 ; 7.6,98.85 9.66,98.85 10.34,98.17 10.9,98.17 ; v1(70.95,90) 71.46,89.5 C1049.2 ; v1(64.48,72.73) C910.1 63.81,71.92 D910.2 ; 25.81,38.57 24.85,38.57 24.6,38.82 24.6,40.86 24.85,41.11 C1021.2 27.52,41.14 v1(27.52,41.79) ; v1(29.05,12.03) 28.54,12.53 C1039.2 ; C1032.2 28.54,88.48 v1(29.05,87.97) ; 60.8,97 59.82,97.98 C909.1 59.25,98.75 59.97,99.47 62.94,99.47 D909.2 ; v1(18.12,6.19) 18.15,6.16 C1022.2 ; C1054.2 28.54,39.2 v1(29.05,38.7) ; C1035.2 81.88,61.81 v1(82.38,61.3) ; 64.23,18.16 63.81,18.59 C912.1 v1(64.48,19.39) ; D911.2 63.81,45.25 C911.1 v1(64.48,46.06) ; U608.2 46.48,90.25 C605.2 v1(46,88.75) C606.2 ; C753.2 C754.2 53.25,44.02 v1(53.25,43.5) ; v1(91.15,19.39) C916.1 90.49,18.59 90.91,18.16 ; U1002.14 21.93,61.43 22.06,61.3 22.06,60.29 21.93,60.16 U1002.15 19.34,60.16 v1(19.14,59.96) ; U1005.6 78.19,91.91 77.94,92.16 77.94,94.2 78.19,94.45 U1005.8 C1023.2 80.89,93.53 v1(80.86,93.5) ; U801.4 v1(51.02,76.36) ; v1(91.15,46.06) C915.1 90.49,45.25 D915.2 ; 55.75,46.48 56.73,46.48 v1(56.75,46.5) ; C1006.2 81.88,35.14 v1(82.38,34.63) ; C1015.2 18.12,91.53 v1(17.61,92.04) ; C1017.2 71.46,62.83 v1(70.95,63.33) ; v1(17.61,38.7) 18.12,38.19 C1003.2 ; v1(51.27,88.7) 51.45,88.7 52.65,87.5 U605.2 53.52,87.5 C607.2 ; C1043.2 71.46,36.16 v1(70.95,36.67) ; SW701.2 48.3,6.45 v1(48,6.75) ; v1(17.61,34.63) 17.64,34.63 C1001.2 ; v1(70.95,87.97) 70.98,87.97 C1048.2 ; U1007.14 75.27,34.76 75.4,34.63 75.4,33.62 75.27,33.49 U1007.15 72.68,33.49 v1(72.48,33.29) ; v1(29.05,34.63) 28.54,35.14 C1056.2 ; v1(11.14,46.06) 10.48,46.06 10.48,45.25 10.9,44.83 ; v1(70.95,7.96) 70.98,7.96 C1036.2 ; U801.8 v1(51.02,81.44) ; C1018.2 71.46,64.86 v1(70.95,65.37) ; C1040.2 28.54,10.5 v1(29.05,10) ; v1(48.33,43.52) 48.33,43.85 C752.2 ; U1004.14 21.93,8.09 22.06,7.96 22.06,6.95 21.93,6.82 U1004.15 19.42,6.82 v1(19.19,6.59) ; C1045.2 81.88,12.53 v1(82.38,12.03) ; v1(50,86.25) 49.52,86.73 49.52,87.23 49.25,87.5 U607.2 ; v1(17.61,65.37) 18.12,64.86 C1053.2 ; C756.2 50.27,59.27 v1(50.25,59.25) ; 37.56,98.17 36.37,99.37 33.62,99.37 32.5,98.25 C905.1 33.15,97.98 34.12,97 ; 18.15,9.49 18.12,9.49 v1(17.61,10) ; U801.13 v1(48.98,76.36) ; v1(37.81,19.39) 37.14,19.39 37.14,18.59 37.56,18.16 ; U801.14 v1(48.98,75.09) ; Y701.2 49.35,40.6 v1(49,40.25) ; v1(17.61,61.3) 17.64,61.3 C1051.2 ; v1(70.95,12.03) 71.46,11.52 C1038.2 ; v1(37.81,72.73) 37.14,72.73 37.14,71.92 37.56,71.5 ; v1(50.25,62.25) 50.27,62.23 C755.2 ; U705.4 45.59,64.09 v1(45.5,64) ; v1(17.61,12.03) 18.1,11.54 C1012.2 ; SW702.1 v1(53,32) ; v1(53.75,44.75) v1(53.75,44) ; v1(82.38,87.97) 81.88,88.48 C1029.2 ; C1008.2 28.54,63.84 v1(29.05,63.33) ; v1(56.75,47.25) C742.2
  Top w0.381: v1(54.25,93.25) 53.7,93.25 J601.A1B12 53.25,94.5 v1(53.5,94.75) ; v1(46.5,94.75) 46.75,94.5 J601.A12B1 46.3,93.25 v1(45.75,93.25)
  Bottom w0.254: U602.2 53.63,90.75 54.1,90.28 v1(54.1,89.05) ; C603.1 48.5,85 v1(48,85.5) ; U603.2 49.67,90.75 v1(50.09,91.17) 50.09,91.34 50.02,91.41 50.02,92.99 ; C601.2 52.52,93.77 v1(53.5,94.75) ; C740.2 54.02,44.27 v1(53.75,44) 53.48,44.27 C754.2 ; v1(51.65,55.26) 51.18,55.73 ; v1(49,56) 49.48,56 C737.2 49.16,55.14 v1(49.16,54.27) 49,54.11 U703.19 ; v1(53.25,43.5) v1(53.25,42.75) v1(53.25,42) ; v1(53.25,43.5) 53,43.75 C754.2 ; v1(53.25,43.5) 53.25,43.52 ; 50.02,92.99 R603.2 ; 50.02,92.99 50.49,93.45 R602.2 50.52,93.53 ; v1(51.27,88.7) 51.27,88.32 U604.3 ; C754.2 C753.2 C733.2 51,43.75 ; 47.48,84.75 47.48,84.98 ; C743.2 C746.2 ; C743.2 48.62,43.23 v1(48.33,43.52) 48,43.85 C732.2 C744.2 ; C743.2 C744.2 ; C744.2 C745.2 50,43.75 ; C602.2 47.5,85 v1(48,85.5) ; C736.2 v1(43.5,51) ; 46.88,86.98 U601.2 47.43,87 48,86.43 v1(48,85.5) ; 50,43.75 50,43.28 ; 50,43.75 v1(50.5,43.75) 51,43.75 ; 51,43.75 51,43.28 ; v1(55.75,51.75) 55.73,51.73 C738.2 ; v1(43.5,47.5) C735.2 ; U704.57 v1(48.75,51.25) ; R601.2 47.51,93.74 v1(46.5,94.75) ; 48.52,84.98 48.52,84.75
  vias: v1(43,57.75) v1(46.5,62.5) v1(48.75,48.75) v1(53.75,45.5) v1(54,83.5) v1(54.25,41.5) v1(55,42) v1(55.75,41.5) v1(56.75,45.75) v1(56.75,45) v1(56.75,44.25) v1(56.75,43.5) v1(56.75,42.75) v1(56.75,42)
VDD_SPI: length 15.5
  Top w0.254: C756.1 51,60.75 ; 51,60.75 C755.1 ; 51,60.75 49.75,60.75 ; 49.75,60.75 49.75,62.75 50.24,63.24 R734.1 ; 49.75,60.75 49.75,59.84 49.41,59.5 U705.8 49.41,57.78 46.25,54.62 46.25,52.91 U704.29
/HWCFG/HWCFG_DATA: length 35.3
  Top w0.254: U704.17 51.8,54.3 52.75,55.25 53,55.25 54,56.25 54,67 49.77,71.23 49.77,79 49.27,79.5 46.25,79.5 46,79.75 46,80.75 46.69,81.44 U801.9
/MCU/ESP_BOOT0: length 76.9
  Top w0.254: v1(57.25,55.75) 56.5,56.5 56.5,70 59,72.5 59,80 54,85 51.5,85 51,85.5 50,85.5 48.95,86.55 U607.1 ; U704.5 53.94,49 55.25,50.31 v1(55.25,52.75) 55.48,52.98 56.27,52.98 56.75,52.5 56.75,49.25 57.75,48.25 57.75,41 57.25,40.5 56.5,40.5 54.25,38.25 54.25,35 53.75,34.5 48.4,34.5 SW703.2
  Bottom w0.254: v1(57.25,55.75) 55.75,54.25 55.75,53.25 v1(55.25,52.75)
/MCU/ESP_LNA: length 2
  Top w0.254: U704.1 54.35,47.4 54.75,47 54.75,46.5
/MCU/ESP_RESET: length 81.9
  Top w0.254: U608.1 47.05,91.45 46.5,92 45.75,92 45.25,91.5 45.25,86 45.75,85.5 v1(46,85.5) ; C758.1 48.77,36.25 51.24,36.25 R735.2 51.59,35.9 SW702.2 53,37.75 56.31,41.06 57.06,41.06 57.25,41.25 57.25,48.09 56.25,49.09 56.25,49.75 ; v1(50.5,84.75) 50.75,84.5 53.75,84.5 58.5,79.75 58.5,72.75 56,70.25 56,56.25 v1(57.25,55) ; 56.25,50.59 56.25,51 ; 56.25,51 56.25,49.75 ; 56.25,51 56.25,52.25 v1(56,52.5) ; 56.25,49.75 56.2,49.8 55.45,49.8 54.75,49.09 54.53,49.09 54.04,48.6 U704.4
  Bottom w0.254: v1(46,85.5) 46,84.44 46.19,84.25 50,84.25 v1(50.5,84.75) ; v1(56,52.5) 56.25,52.75 56.25,54 v1(57.25,55)
/MCU/GRID_EAST_RX: length 75.4
  Bottom w0.254: J503.3 96.17,77.67 95.75,77.25 95.75,71.5 96.25,71 98.25,71 98.75,70.5 98.75,53.5 96,50.75 58.25,50.75 57.3,49.8 U703.36
/MCU/GRID_EAST_TX: length 75.7
  Bottom w0.254: U703.38 59,49 59.25,49.25 96,49.25 98.75,46.5 98.75,29.5 98.25,29 96.25,29 95.25,28 95.25,23 95.92,22.33 J505.2
/MCU/GRID_NORTH_RX: length 122
  Bottom w0.254: J501.3 22.33,96.42 21.41,95.5 19.25,95.5 18,96.75 18,98.5 17.25,99.25 6.25,99.25 4.75,97.75 4.75,96 4,95.25 2.25,95.25 0.75,93.75 0.75,82.5 1.5,81.75 4.25,81.75 4.75,81.25 4.75,71.75 3.5,70.5 2.25,70.5 1.75,70 1.75,52 2.25,51.5 40.75,51.5 42.05,50.2 U703.8
